# Altium PCB BC2087.PcbDoc (part 2 of 6) (continued)
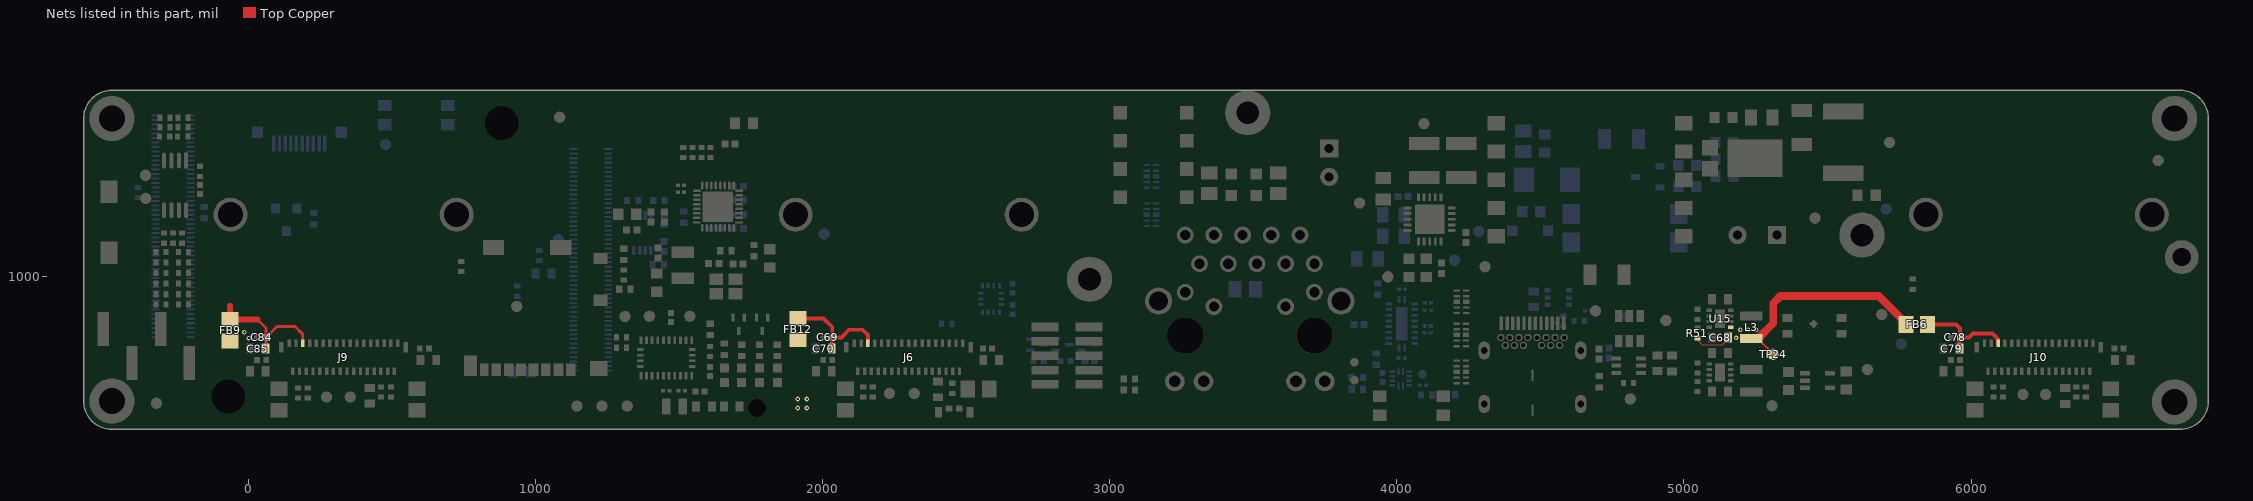
[diagram p6: the nets of this part, all layers, seen from the top]
## Part data (continued)
R63: library part CMP-009-00197-1, "Fixed Resistor, Metal Glaze/thick Film, 0.1W, 750ohm, 50V, 1% +/-Tol, 100ppm/Cel, Surface Mount, 0402", Case/Package=0402, Manufacturer 1=Panasonic, Power=100mW, Supplier Part Number 1=P750LTR-ND, Tolerance=1%, Manufacturer Part Number 1=ERJ2RKF7500X, Mounting Technology=SMD, Pins=2, Supplier 1=Digikey
R64: library part CMP-009-00198-1, "Fixed Resistor, Metal Glaze/thick Film, 0.063W, 1200ohm, 50V, 1% +/-Tol, 100ppm/Cel, Surface Mount, 0402", Case/Package=0402, Manufacturer 1=Vishay, Power=63mW, Supplier Part Number 1=541-1.20KLTR-ND, Tolerance=1%, Voltage Rating=50V, Manufacturer Part Number 1=CRCW04021K20FKED, Mounting Technology=SMD, Pins=2, Supplier 1=Digikey
R65: library part CMP-009-00196-1, "Fixed Resistor, Metal Glaze/thick Film, 0.0625W, 150ohm, 50V, 1% +/-Tol, 100ppm/Cel, Surface Mount, 0402", Manufacturer 1=Yageo, Tolerance=1%, Voltage Rating=50V, Manufacturer Part Number 1=RC0402FR-07150RL, Supplier 1=Digikey, Supplier Part Number 1=RC0402FR-07150RL
R69: library part RC0402FR-07100KL, "RES SMD 100K OHM 1% 1/16W 0402", Case Code (Imperial)=0402, Case Code (Metric)=1005, Manufacturer 1=Yageo, Max Operating Temperature=155°C, Max Power Dissipation=63mW, Min Operating Temperature=-55°C, Package Quantity=1, Resistance=100kR, Supplier Part Number 1=311-100KLRCT-ND, Temperature Coefficient=100ppm/°C, Tolerance=1%, Voltage Rating=50V, Case/Package=0402, ComponentLink1Description=https://datasheet.ciiva.com/11819/0900766b80c66297-11819452.pdf?src-supplier=RSComponents, ComponentLink1URL=https://datasheet.ciiva.com/11819/0900766b80c66297-11819452.pdf?src-supplier=RSComponents, ComponentLink2Description=https://datasheet.ciiva.com/2453/pyu-r-int-thick-7-2453361.pdf?src-supplier=Digi-Key, ComponentLink2URL=https://datasheet.ciiva.com/2453/pyu-r-int-thick-7-2453361.pdf?src-supplier=Digi-Key, ComponentLink3Description=https://datasheet.ciiva.com/2453/pyu-r-int-thick-7-2453362.pdf?src-supplier=Digi-Key, ComponentLink3URL=https://datasheet.ciiva.com/2453/pyu-r-int-thick-7-2453362.pdf?src-supplier=Digi-Key, ComponentLink4Description=https://datasheet.ciiva.com/2453/pyu-r-int-thick-7-2453363.pdf?src-supplier=Digi-Key, ComponentLink4URL=https://datasheet.ciiva.com/2453/pyu-r-int-thick-7-2453363.pdf?src-supplier=Digi-Key, ComponentLink5Description=https://datasheet.ciiva.com/22747/1018594-22747509.pdf?src-supplier=Element14, ComponentLink5URL=https://datasheet.ciiva.com/22747/1018594-22747509.pdf?src-supplier=Element14, ComponentLink6Description=https://datasheet.ciiva.com/15189/getdatasheetpartid-323696-15189334.pdf?src-supplier=Verical, ComponentLink6URL=https://datasheet.ciiva.com/15189/getdatasheetpartid-323696-15189334.pdf?src-supplier=Verical, ComponentLink7Description=https://datasheet.ciiva.com/12667/pyu-rc0402-51-rohs-l-6-r-12667930.pdf?src-supplier=Mouser, ComponentLink7URL=https://datasheet.ciiva.com/12667/pyu-rc0402-51-rohs-l-6-r-12667930.pdf?src-supplier=Mouser, Composition="Thick Film", Depth=0.5mm, Features="Moisture Resistant", Height=0.016inch, Lead Free="Lead Free", Length=0.039inch, Manufacturer Part Number 1=RC0402FR-07100KL, Military Standard=Not, Number of Terminations=2, Packaging="Tape and Reel", Power Rating=63mW, Pricing 1="1=0.10000, 10=0.01500, 100=0.00600, 1000=0.00270, 2500=0.00235, 5000=0.00194 (USD)", REACH SVHC="No SVHC", RoHS=Yes, Stock 1=50867324, Supplier 1=Digi-Key, Supplier 2=Newark, Supplier 3=Mouser, Supplier Part Number 2=67R9887, Supplier Part Number 3=603-RC0402FR-07100KL, Termination=SMD/SMT, Width=0.02inch, Working Voltage=50V
R72 R73: library part CMP-013-000013-8, "RES SMD 2.2K OHM 1% 1/16W 0402", Case/Package=0402, Manufacturer 1=Yageo, Max Operating Temperature=155°C, Min Operating Temperature=-55°C, Power Rating=63mW, Tolerance=1%, Voltage Rating=50V, Design Item ID=RC0402FR-072K2L, Manufacturer Part Number 1=RC0402FR-072K2L
R78: library part ERJ-2RKF1782X, "RES SMD 17.8K OHM 1% 1/10W 0402 17.8 kOhms ±1% 0.1W, 1/10W Chip Resistor 0402 (1005 Metric) Automotive AEC-Q200 Thick Film", Case Code (Imperial)=0402, Case Code (Metric)=1005, Manufacturer 1=Panasonic, Max Operating Temperature=155°C, Max Power Dissipation=100mW, Min Operating Temperature=-55°C, Package Quantity=1, Resistance=17.8kR, Supplier Part Number 1=P17.8KLCT-ND, Temperature Coefficient=100ppm/°C, Tolerance=1%, Voltage Rating=50V, Case/Package=0402, ComponentLink1Description=https://datasheet.ciiva.com/24027/aoa0000ce2-24027013.pdf?src-supplier=Mouser, ComponentLink1URL=https://datasheet.ciiva.com/24027/aoa0000ce2-24027013.pdf?src-supplier=Mouser, ComponentLink2Description=https://datasheet.ciiva.com/46372/1678782-46372997.pdf?src-supplier=Element14, ComponentLink2URL=https://datasheet.ciiva.com/46372/1678782-46372997.pdf?src-supplier=Element14, ComponentLink3Description=https://datasheet.ciiva.com/28594/1694929-28594534.pdf?src-supplier=Element14, ComponentLink3URL=https://datasheet.ciiva.com/28594/1694929-28594534.pdf?src-supplier=Element14, ComponentLink4Description=https://datasheet.ciiva.com/46372/1678782-46372998.pdf?src-supplier=Element14, ComponentLink4URL=https://datasheet.ciiva.com/46372/1678782-46372998.pdf?src-supplier=Element14, ComponentLink5Description=https://datasheet.ciiva.com/22764/1678782-22764807.pdf?src-supplier=Farnell, ComponentLink5URL=https://datasheet.ciiva.com/22764/1678782-22764807.pdf?src-supplier=Farnell, ComponentLink6Description=https://datasheet.ciiva.com/16769/70260748-16769816.pdf?src-supplier=Allied+Electronics, ComponentLink6URL=https://datasheet.ciiva.com/16769/70260748-16769816.pdf?src-supplier=Allied+Electronics, ComponentLink7Description=https://datasheet.ciiva.com/30116/aoa0000ce2-30116554.pdf?src-supplier=Onlinecomponents.com, ComponentLink7URL=https://datasheet.ciiva.com/30116/aoa0000ce2-30116554.pdf?src-supplier=Onlinecomponents.com, ComponentLink8Description=https://datasheet.ciiva.com/16775/70260748-16775211.pdf?src-supplier=Allied+Electronics, ComponentLink8URL=https://datasheet.ciiva.com/16775/70260748-16775211.pdf?src-supplier=Allied+Electronics, ComponentLink9Description=https://datasheet.ciiva.com/43467/1678782-43467419.pdf?src-supplier=Farnell, ComponentLink9URL=https://datasheet.ciiva.com/43467/1678782-43467419.pdf?src-supplier=Farnell, ComponentLink10Description=https://datasheet.ciiva.com/22668/1678782-22668623.pdf?src-supplier=Element14, ComponentLink10URL=https://datasheet.ciiva.com/22668/1678782-22668623.pdf?src-supplier=Element14, Composition="Thick Film", Contact Plating=Tin, Depth=0.5mm, Features="Automotive AEC-Q200", Height=0.35mm, Lead Free="Lead Free", Length=1mm, Manufacturer Part Number 1=ERJ-2RKF1782X, Military Standard=Not, Mount="Surface Mount", Number of Terminations=2, Packaging="Tape and Reel", Power Rating=100mW, Pricing 1="1=0.10000, 10=0.04500, 100=0.01830, 1000=0.00823, 2500=0.00715, 5000=0.00590 (USD)", REACH SVHC=Unknown, RoHS=Yes, Stock 1=250542, Supplier 1=Digi-Key, Termination=SMD/SMT, Voltage Rating (DC)=50V, Width=0.02inch
R131: library part RC0402FR-071KL, "RES SMD 1K OHM 1% 1/16W 0402", Case Code (Imperial)=0402, Case Code (Metric)=1005, Manufacturer 1=Yageo, Max Operating Temperature=155°C, Min Operating Temperature=-55°C, Power Rating=62.5mW, Resistance=1kR, Supplier Part Number 1=311-1.00KLRCT-ND, Temperature Coefficient=100ppm/°C, Tolerance=1%, Voltage Rating=50V, Case/Package=0402, ComponentLink1Description=https://datasheet.ciiva.com/11819/0900766b80c66297-11819477.pdf?src-supplier=RSComponents, ComponentLink1URL=https://datasheet.ciiva.com/11819/0900766b80c66297-11819477.pdf?src-supplier=RSComponents, ComponentLink2Description=https://datasheet.ciiva.com/12666/pyu-rc0402-51-rohs-l-6-r-12666741.pdf?src-supplier=Mouser, ComponentLink2URL=https://datasheet.ciiva.com/12666/pyu-rc0402-51-rohs-l-6-r-12666741.pdf?src-supplier=Mouser, ComponentLink3Description=https://datasheet.ciiva.com/17063/pyu-rc0402-51-rohs-l-6-r-17063193.pdf?src-supplier=Future+Electronics, ComponentLink3URL=https://datasheet.ciiva.com/17063/pyu-rc0402-51-rohs-l-6-r-17063193.pdf?src-supplier=Future+Electronics, ComponentLink4Description=https://datasheet.ciiva.com/22747/1018594-22747513.pdf?src-supplier=Element14, ComponentLink4URL=https://datasheet.ciiva.com/22747/1018594-22747513.pdf?src-supplier=Element14, ComponentLink5Description=https://datasheet.ciiva.com/7849/1018594-7849869.pdf?src-supplier=Element14, ComponentLink5URL=https://datasheet.ciiva.com/7849/1018594-7849869.pdf?src-supplier=Element14, ComponentLink6Description=https://datasheet.ciiva.com/7983/1018594-7983502.pdf?src-supplier=Element14, ComponentLink6URL=https://datasheet.ciiva.com/7983/1018594-7983502.pdf?src-supplier=Element14, ComponentLink7Description=https://datasheet.ciiva.com/7849/1018594-7849871.pdf?src-supplier=Element14, ComponentLink7URL=https://datasheet.ciiva.com/7849/1018594-7849871.pdf?src-supplier=Element14, Composition="Thick Film", Depth=0.5mm, Height=0.32mm, Lead Free="Lead Free", Length=1mm, Manufacturer Part Number 1=RC0402FR-071KL, Military Standard=Not, Number of Pins=2, Packaging="Tape and Reel", Pricing 1="1=0.10000, 10=0.01600, 100=0.00670, 1000=0.00301, 2500=0.00261, 5000=0.00215 (USD)", REACH SVHC=Unknown, RoHS=Yes, Stock 1=60695854, Supplier 1=Digi-Key, Termination=SMD/SMT, Voltage Rating (DC)=50V, Width=0.5mm
R187 R190: library part CRCW04021M80FKED, "RES SMD 1.8M OHM 1% 1/16W 0402", Case Code (Imperial)=0402, Case Code (Metric)=1005, Manufacturer 1=Vishay, Max Operating Temperature=155°C, Min Operating Temperature=-55°C, Package Quantity=10000, Power Rating=63mW, Resistance=1.8MR, Supplier Part Number 1=541-1.80MLCT-ND, Temperature Coefficient=100ppm/°C, Tolerance=1%, Voltage Rating=50V, Case/Package=0402, ComponentLink1Description=https://datasheet.ciiva.com/11812/0900766b80d98824-11812579.pdf?src-supplier=RSComponents, ComponentLink1URL=https://datasheet.ciiva.com/11812/0900766b80d98824-11812579.pdf?src-supplier=RSComponents, ComponentLink2Description=https://datasheet.ciiva.com/16886/dcrcwe3-16886536.pdf?src-supplier=Avnet+Europe, ComponentLink2URL=https://datasheet.ciiva.com/16886/dcrcwe3-16886536.pdf?src-supplier=Avnet+Europe, ComponentLink3Description=https://datasheet.ciiva.com/7800/1697337-7800987.pdf?src-supplier=Element14, ComponentLink3URL=https://datasheet.ciiva.com/7800/1697337-7800987.pdf?src-supplier=Element14, ComponentLink4Description=https://datasheet.ciiva.com/16786/70201119-16786875.pdf?src-supplier=Allied+Electronics, ComponentLink4URL=https://datasheet.ciiva.com/16786/70201119-16786875.pdf?src-supplier=Allied+Electronics, ComponentLink5Description=https://datasheet.ciiva.com/22676/1700796-22676027.pdf?src-supplier=Element14, ComponentLink5URL=https://datasheet.ciiva.com/22676/1700796-22676027.pdf?src-supplier=Element14, ComponentLink6Description=https://datasheet.ciiva.com/7800/1697337-7800988.pdf?src-supplier=Element14, ComponentLink6URL=https://datasheet.ciiva.com/7800/1697337-7800988.pdf?src-supplier=Element14, ComponentLink7Description=https://datasheet.ciiva.com/26316/fld-crcw-e3-data-en-26316605.pdf?src-supplier=Distrelec, ComponentLink7URL=https://datasheet.ciiva.com/26316/fld-crcw-e3-data-en-26316605.pdf?src-supplier=Distrelec, ComponentLink8Description=https://datasheet.ciiva.com/8336/dcrcwe3-8336646.pdf?src-supplier=Avnet, ComponentLink8URL=https://datasheet.ciiva.com/8336/dcrcwe3-8336646.pdf?src-supplier=Avnet, Composition="Thick Film", Contact Plating=Tin, Depth=0.5mm, Height=0.35mm, Lead Free="Lead Free", Length=1mm, Manufacturer Part Number 1=CRCW04021M80FKED, Military Standard=Not, Mount="Surface Mount", Number of Pins=2, Packaging="Tape and Reel", Pricing 1="1=0.10000, 10=0.03800, 100=0.01540, 1000=0.00690, 2500=0.00599, 5000=0.00495 (USD)", Radiation Hardening=No, REACH SVHC=Unknown, RoHS=Yes, Stock 1=26061, Supplier 1=Digi-Key, Termination=SMD/SMT, Voltage Rating (DC)=50V, Weight=2.3E-05oz, Width=0.5mm
R213 R214: library part CMP-115-000004-1, "RES SMD 10K OHM 1% 0402 1/16W Chip Resistor, 0402 [1005 Metric], 10 kohm, RC Series, 50 V, Thick Film, 62.5 mW", Case Code (Imperial)=0402, Case Code (Metric)=1005, Manufacturer 1=Yageo, Max Operating Temperature=155°C, Min Operating Temperature=-55°C, Power Rating=62.5mW, Resistance=10kR, Temperature Coefficient=100ppm/°C, Tolerance=1%, Voltage Rating=50V, Case/Package=0402, ComponentLink1Description=https://datasheet.ciiva.com/16940/pyu-rc0402-51-rohs-l-6-16940293.pdf?src-supplier=Avnet+Europe, ComponentLink1URL=https://datasheet.ciiva.com/16940/pyu-rc0402-51-rohs-l-6-16940293.pdf?src-supplier=Avnet+Europe, ComponentLink2Description=https://datasheet.ciiva.com/28386/pyu-rc0402-51-rohs-l-6-28386855.pdf?src-supplier=Avnet+Europe, ComponentLink2URL=https://datasheet.ciiva.com/28386/pyu-rc0402-51-rohs-l-6-28386855.pdf?src-supplier=Avnet+Europe, ComponentLink3Description=https://datasheet.ciiva.com/16740/pyu-rc0402-51-rohs-l-6-r-16740602.pdf?src-supplier=Future+Electronics, ComponentLink3URL=https://datasheet.ciiva.com/16740/pyu-rc0402-51-rohs-l-6-r-16740602.pdf?src-supplier=Future+Electronics, ComponentLink4Description=https://datasheet.ciiva.com/8891/pyu-rc0402-51-rohs-l-6-8891339.pdf?src-supplier=Avnet, ComponentLink4URL=https://datasheet.ciiva.com/8891/pyu-rc0402-51-rohs-l-6-8891339.pdf?src-supplier=Avnet, ComponentLink5Description=https://datasheet.ciiva.com/5557/pyu-rc0402-51-rohs-l-6-r-5557997.pdf?src-supplier=Mouser, ComponentLink5URL=https://datasheet.ciiva.com/5557/pyu-rc0402-51-rohs-l-6-r-5557997.pdf?src-supplier=Mouser, ComponentLink6Description=https://datasheet.ciiva.com/7983/1018594-7983533.pdf?src-supplier=Element14, ComponentLink6URL=https://datasheet.ciiva.com/7983/1018594-7983533.pdf?src-supplier=Element14, Composition="Thick Film", Contact Plating=Tin,Matte,Lead, Depth=0.5mm, Design Item ID=RC0402FR-1310KL, Lead Free="Lead Free", Length=1mm, Manufacturer Part Number 1=RC0402FR-1310KL, Military Standard=Not, Number of Pins=2, Number of Terminations=2, Packaging="Tape and Reel", Pricing 1="1=0.10000, 25=0.01200, 100=0.00400, 250=0.00400, 500=0.00300, 1000=0.00300 (USD)", Radiation Hardening=No, REACH SVHC="No SVHC", RoHS=Yes, Source=BW2098POE_1.SCHLIB, Stock 1=62239, Termination=SMD/SMT, Voltage Rating (DC)=50V, Working Voltage=50V
SW1 SW2: library part CMP-011-00016-3, "Keypad Switch, 1 Switches, SPST, Momentary-tactile, 0.05A, 12VDC, 2.65N, Solder Terminal, Surface Mount-right Angle", Current Rating=50mA, Manufacturer 1="Wurth Electronics", Supplier Part Number 1=732-7055-2-ND, Voltage Rating=12V, Case/Package=434331045822, Manufacturer Part Number 1=434331045822, Max Current Rating=50mA, Mounting Technology=SMD, Pins=4, Supplier 1=Digi-Key, Throw Configuration=SPST-NO
T1: "TRANS FLYBACK POE 127UH SMD", Case/Package=SMD/SMT, Current Rating=1.3A, Frequency=500kHz, Inductance=127uH, Manufacturer 1="Wurth Electronics", Max Input Voltage=57V, Max Operating Temperature=125°C, Min Input Voltage=36V, Min Operating Temperature=-40°C, Output Voltage=5V, Package Quantity=1, Power Rating=13W, Supplier Part Number 1=732-2432-1-ND, ComponentLink1Description="Manufacturer URL", ComponentLink1URL=http://www.we-online.com, ComponentLink2Description=Datasheet, ComponentLink2URL=http://www.we-online.de/katalog/media/pdf/749119950.pdf, ComponentLink3Description=https://datasheet.ciiva.com/1378/749119950-1378246.pdf?src-supplier=Element14, ComponentLink3URL=https://datasheet.ciiva.com/1378/749119950-1378246.pdf?src-supplier=Element14, ComponentLink4Description=https://datasheet.ciiva.com/5309/749119950-91646-5309801.pdf?src-supplier=Mouser, ComponentLink4URL=https://datasheet.ciiva.com/5309/749119950-91646-5309801.pdf?src-supplier=Mouser, ComponentLink5Description=https://datasheet.ciiva.com/1386/749119950-1386647.pdf?src-supplier=Farnell, ComponentLink5URL=https://datasheet.ciiva.com/1386/749119950-1386647.pdf?src-supplier=Farnell, ComponentLink6Description=https://datasheet.ciiva.com/2940/749119950-2940138.pdf?src-supplier=Digi-Key, ComponentLink6URL=https://datasheet.ciiva.com/2940/749119950-2940138.pdf?src-supplier=Digi-Key, ComponentLink7Description=https://datasheet.ciiva.com/2940/749119950-2940139.pdf?src-supplier=Digi-Key, ComponentLink7URL=https://datasheet.ciiva.com/2940/749119950-2940139.pdf?src-supplier=Digi-Key, Height=12.5mm, Height - Seated (Max)=12.5mm, Length=13.5mm, Manufacturer Part Number 1=749119950, Mount="Surface Mount", Packaging="Tape and Reel", Pricing 1="1=5.64000, 10=5.44300, 50=5.14100, 100=4.83800 (USD)", REACH SVHC="No SVHC", RoHS=Yes, Stock 1=148, Supplier 1=Digi-Key, Supplier 2=Digi-Key, Supplier 3=Mouser, Supplier Part Number 2=732-2432-6-ND, Supplier Part Number 3=710-749119950, Width=17.75mm
TP1 TP2 TP3 TP4 TP5 TP6 TP7 TP8 TP9 TP10 TP11 TP12 TP13 TP14 TP15 TP16 TP17 TP18 TP19 TP20 TP22 TP23 TP24 TP27 TP28 TP29 TP30 TP31 TP32 TP33: library part TEST_POINT
TP21 TP25 TP26 TP34 TP35 TP41: library part CMP-015-000000-1, Design Item ID=TEST_POINT, Source=LuxonisMaster.SchLib
U1: "IC POE CNTRL 1 CHANNEL 20QFN", Manufacturer 1="Silicon Labs", Supplier Part Number 1=336-4270-ND, ComponentLink1Description=https://www.silabs.com/documents/public/data-sheets/si3404-datasheet.pdf?src-supplier=Digi-Key, ComponentLink1URL=https://www.silabs.com/documents/public/data-sheets/si3404-datasheet.pdf?src-supplier=Digi-Key, Manufacturer Part Number 1=SI3404-A-GM, Pricing 1="1=1.46000, 25=1.41040, 100=1.35600, 1000=1.33340 (USD)", RoHS=No, Stock 1=1481, Supplier 1=Digi-Key, Supplier 2=Mouser, Supplier Part Number 2=634-SI3404-A-GM
U2: "OPTOISOLATOR 5.3KV TRANS 4-SMD", Case/Package=SMD/SMT, Collector Emitter Saturation Voltage=400mV, Collector Emitter Voltage (VCEO)=80V, Current Transfer Ratio=100%, Forward Current=60mA, Forward Voltage=1.1V, Isolation Voltage=5.3kV, Manufacturer 1="Vishay Semiconductors", Max Collector Current=50mA, Max Operating Temperature=110°C, Max Power Dissipation=150mW, Min Operating Temperature=-55°C, Package Quantity=1, Reverse Breakdown Voltage=6V, Supplier Part Number 1=VO618A-3X017TCT-ND, ComponentLink1Description=https://datasheet.ciiva.com/26183/vo618a-26183397.pdf?src-supplier=Avnet+Europe, ComponentLink1URL=https://datasheet.ciiva.com/26183/vo618a-26183397.pdf?src-supplier=Avnet+Europe, ComponentLink2Description=https://datasheet.ciiva.com/2087/vo618a-2087431.pdf?src-supplier=Digi-Key, ComponentLink2URL=https://datasheet.ciiva.com/2087/vo618a-2087431.pdf?src-supplier=Digi-Key, ComponentLink3Description=https://datasheet.ciiva.com/2087/vo618a-2087432.pdf?src-supplier=Digi-Key, ComponentLink3URL=https://datasheet.ciiva.com/2087/vo618a-2087432.pdf?src-supplier=Digi-Key, ComponentLink4Description=https://datasheet.ciiva.com/2087/vo618a-2087433.pdf?src-supplier=Digi-Key, ComponentLink4URL=https://datasheet.ciiva.com/2087/vo618a-2087433.pdf?src-supplier=Digi-Key, Contact Plating=Tin, Input Current=60mA, Lead Free="Lead Free", Manufacturer Part Number 1=VO618A-3X017T, Max Input Current=60mA, Max Output Voltage=80V, Mount="Surface Mount", Number of Channels=1, Number of Elements=1, Number of Pins=4, Output Current per Channel=50mA, Packaging="Tape and Reel", Power Dissipation=150mW, Pricing 1="1=1.04000, 10=0.80900, 100=0.51980, 500=0.43890 (USD)", Radiation Hardening=No, REACH SVHC=Unknown, RoHS=Yes, Stock 1=28306, Supplier 1=Digi-Key, Supplier 2=Newark, Supplier 3=Mouser, Supplier Part Number 2=48W3695, Supplier Part Number 3=78-VO618A-3X017T
U3 U15: "IC REG BUCK ADJ 1.2A SYNC 8WSON", Manufacturer 1="Texas Instruments", Manufacturer Part Number 1=TLV62080DSGR, Manufacturer Part Number 2=TLV62080DSGT, Max Input Voltage=5.5V, Max Operating Temperature=125°C, Max Output Current=1.2A, Max Output Voltage=4V, Min Input Voltage=2.5V, Min Operating Temperature=-40°C, Min Output Voltage=500mV, Nominal Supply Current=30uA, Package Quantity=3000, Supplier Part Number 1=296-39270-1-ND, Switching Frequency=2MHz, ComponentLink1Description=https://datasheet.ciiva.com/6604/tlv62080-6604087.pdf?src-supplier=Digi-Key, ComponentLink1URL=https://datasheet.ciiva.com/6604/tlv62080-6604087.pdf?src-supplier=Digi-Key, ComponentLink2Description=https://datasheet.ciiva.com/14378/tlv62080-14378282.pdf?src-supplier=Avnet, ComponentLink2URL=https://datasheet.ciiva.com/14378/tlv62080-14378282.pdf?src-supplier=Avnet, ComponentLink3Description=https://datasheet.ciiva.com/29732/tlv62080-29732147.pdf?src-supplier=Digi-Key, ComponentLink3URL=https://datasheet.ciiva.com/29732/tlv62080-29732147.pdf?src-supplier=Digi-Key, ComponentLink4Description=https://datasheet.ciiva.com/29732/tlv62080-29732156.pdf?src-supplier=Digi-Key, ComponentLink4URL=https://datasheet.ciiva.com/29732/tlv62080-29732156.pdf?src-supplier=Digi-Key, ComponentLink5Description=https://datasheet.ciiva.com/29732/tlv62080-29732151.pdf?src-supplier=Digi-Key, ComponentLink5URL=https://datasheet.ciiva.com/29732/tlv62080-29732151.pdf?src-supplier=Digi-Key, ComponentLink6Description=https://datasheet.ciiva.com/14378/tlv62080-14378283.pdf?src-supplier=Avnet, ComponentLink6URL=https://datasheet.ciiva.com/14378/tlv62080-14378283.pdf?src-supplier=Avnet, ComponentLink7Description=https://datasheet.ciiva.com/26104/tlv62080-26104460.pdf?src-supplier=Avnet+Europe, ComponentLink7URL=https://datasheet.ciiva.com/26104/tlv62080-26104460.pdf?src-supplier=Avnet+Europe, Contact Plating=Gold, Lead Free="Lead Free", Manufacturer 2="Texas Instruments", Min Supply Voltage=2.5V, Mount="Surface Mount", Number of Outputs=1, Number of Pins=8, Output Configuration=Positive, Output Current=1.2A, Output Type=Adjustable, Output Voltage=4V, Packaging="Tape and Reel", Pricing 1="1=1.35000, 10=1.20300, 100=0.93810, 500=0.77498, 1000=0.61182 (USD)", Pricing 2="1=1.48000, 10=1.32700, 100=1.06620 (USD)", Quiescent Current=30uA, Radiation Hardening=No, REACH SVHC="No SVHC", RoHS=Yes, Stock 1=93781, Stock 2=6366, Supplier 1=Digi-Key, Supplier 2=Digi-Key, Supplier Part Number 2=296-36759-1-ND, Synchronous Rectifier=Yes
U4: library part RTL8111HS, "IC ETHERNET/PCIe PHY Realtek", Manufacturer 1=Realtek, Manufacturer Part Number 1=RTL8111HS-CG, Supplier 1="Symmetry Electronics", Supplier 2="Future Electronics", Supplier Part Number 1=RTL8111HS-CG, Supplier Part Number 2=RTL8111HS-CG
U5: library part TLV431BCDBZR, "IC VREF SHUNT ADJ SOT23-3", Case/Package=SOT-23, Cathode Current=100uA, Manufacturer 1="Texas Instruments", Max Input Voltage=7V, Max Operating Temperature=125°C, Max Output Current=15mA, Max Output Voltage=6V, Min Input Voltage=1.24V, Min Operating Temperature=-40°C, Package Quantity=1, Supplier Part Number 1=296-17569-1-ND, Temperature Coefficient=129ppm/°C, Tolerance=0.5%, ComponentLink1Description=https://datasheet.ciiva.com/26889/tlv431bcdbzr-26889546.pdf?src-supplier=IIIC, ComponentLink1URL=https://datasheet.ciiva.com/26889/tlv431bcdbzr-26889546.pdf?src-supplier=IIIC, ComponentLink2Description=https://datasheet.ciiva.com/2006/tlv431a-2006546.pdf?src-supplier=Digi-Key, ComponentLink2URL=https://datasheet.ciiva.com/2006/tlv431a-2006546.pdf?src-supplier=Digi-Key, ComponentLink3Description=https://datasheet.ciiva.com/2006/tlv431a-2006547.pdf?src-supplier=Digi-Key, ComponentLink3URL=https://datasheet.ciiva.com/2006/tlv431a-2006547.pdf?src-supplier=Digi-Key, ComponentLink4Description=https://datasheet.ciiva.com/2006/tlv431a-2006548.pdf?src-supplier=Digi-Key, ComponentLink4URL=https://datasheet.ciiva.com/2006/tlv431a-2006548.pdf?src-supplier=Digi-Key, ComponentLink5Description=https://datasheet.ciiva.com/26264/tlv431b-26264234.pdf?src-supplier=Avnet+Europe, ComponentLink5URL=https://datasheet.ciiva.com/26264/tlv431b-26264234.pdf?src-supplier=Avnet+Europe, ComponentLink6Description=https://datasheet.ciiva.com/46397/1887487-46397709.pdf?src-supplier=Element14, ComponentLink6URL=https://datasheet.ciiva.com/46397/1887487-46397709.pdf?src-supplier=Element14, Lead Free="Lead Free", Manufacturer Part Number 1=TLV431BCDBZR, Number of Channels=1, Number of Pins=3, Output Current=15mA, Output Voltage=6V, Packaging="Tape and Reel", Pricing 1="1=0.92000, 10=0.81200, 100=0.57850, 500=0.46772, 1000=0.35695 (USD)", Radiation Hardening=No, REACH SVHC="No SVHC", Reference Type=Shunt,Adjustable, Reference Voltage=6V, RoHS=Yes, Stock 1=3209, Supplier 1=Digi-Key, Supplier 2="TI store", Supplier 3=Mouser, Supplier Part Number 2=TLV431BCDBZR, Supplier Part Number 3=595-TLV431BCDBZR
U6: library part TXS0102DCUR, "TEXAS INSTRUMENTS - TXS0102DCUR - IC, TRANSLATOR, 2 BIT, BI, US-8", Case/Package=VSSOP, High Level Output Current=-20uA, Low Level Output Current=1mA, Manufacturer 1="Texas Instruments", Max Operating Temperature=85°C, Max Supply Voltage=5.5V, Min Operating Temperature=-40°C, Min Supply Voltage=1.65V, Nominal Supply Current=14.4uA, Output Current=1A, Package Quantity=1, Supplier Part Number 1=296-21931-1-ND, Category="Logic Gates", ComponentLink1Description=https://datasheet.ciiva.com/15096/getdatasheetpartid-118249-15096172.pdf?src-supplier=Verical, ComponentLink1URL=https://datasheet.ciiva.com/15096/getdatasheetpartid-118249-15096172.pdf?src-supplier=Verical, ComponentLink2Description=https://datasheet.ciiva.com/22653/1846850-22653373.pdf?src-supplier=Farnell, ComponentLink2URL=https://datasheet.ciiva.com/22653/1846850-22653373.pdf?src-supplier=Farnell, ComponentLink3Description=https://datasheet.ciiva.com/1508/1857232-1508821.pdf?src-supplier=Element14, ComponentLink3URL=https://datasheet.ciiva.com/1508/1857232-1508821.pdf?src-supplier=Element14, ComponentLink4Description=https://datasheet.ciiva.com/1899/txs0102-1899368.pdf?src-supplier=Digi-Key, ComponentLink4URL=https://datasheet.ciiva.com/1899/txs0102-1899368.pdf?src-supplier=Digi-Key, ComponentLink5Description=https://datasheet.ciiva.com/1899/txs0102-1899369.pdf?src-supplier=Digi-Key, ComponentLink5URL=https://datasheet.ciiva.com/1899/txs0102-1899369.pdf?src-supplier=Digi-Key, ComponentLink6Description=https://datasheet.ciiva.com/1899/txs0102-1899370.pdf?src-supplier=Digi-Key, ComponentLink6URL=https://datasheet.ciiva.com/1899/txs0102-1899370.pdf?src-supplier=Digi-Key, ComponentLink7Description=https://datasheet.ciiva.com/14287/txs0102-14287516.pdf?src-supplier=Avnet, ComponentLink7URL=https://datasheet.ciiva.com/14287/txs0102-14287516.pdf?src-supplier=Avnet, ComponentLink8Description=https://datasheet.ciiva.com/28499/1863639-28499676.pdf?src-supplier=Element14, ComponentLink8URL=https://datasheet.ciiva.com/28499/1863639-28499676.pdf?src-supplier=Element14, ComponentLink9Description=https://datasheet.ciiva.com/14287/txs0102-14287518.pdf?src-supplier=Avnet, ComponentLink9URL=https://datasheet.ciiva.com/14287/txs0102-14287518.pdf?src-supplier=Avnet, ComponentLink10Description=https://datasheet.ciiva.com/46395/1863639-46395871.pdf?src-supplier=Element14, ComponentLink10URL=https://datasheet.ciiva.com/46395/1863639-46395871.pdf?src-supplier=Element14, Data Rate=24Mbps, Lead Free="Lead Free", Logic Function=Translator, Manufacturer Part Number 1=TXS0102DCUR, Number of Bits=2, Number of Channels=2, Number of Inputs=2, Number of Pins=8, Output Type=Voltage, Packaging="Tape and Reel", Pricing 1="1=0.75000, 10=0.65900, 25=0.61960, 100=0.50550, 250=0.46956, 500=0.39964, 1000=0.31971 (USD)", Propagation Delay=4.6ns, Quiescent Current=14.4uA, Radiation Hardening=No, REACH SVHC="No SVHC", RoHS=Yes, Stock 1=55123, Supplier 1=Digi-Key, Supplier 2=Newark, Supplier 3=Mouser, Supplier Part Number 2=30M1878, Supplier Part Number 3=595-TXS0102DCUR, Turn-On Delay Time=260ns, Weight=0.000339oz
U7: library part 24AA32A-I/MS, "IC EEPROM 32K I2C 400KHZ 8MSOP Memory IC 32Kb (4K x 8) I²C 400kHz 900ns 8-MSOP", Case/Package=MSOP, Frequency=400kHz, Manufacturer 1=Microchip, Max Operating Temperature=85°C, Max Supply Voltage=5.5V, Min Operating Temperature=-40°C, Min Supply Voltage=1.7V, Nominal Supply Current=3mA, Package Quantity=100, Supplier Part Number 1=24AA32A-I/MS-ND, Access Time=3500ns, ComponentLink1Description=https://datasheet.ciiva.com/16309/filehandler-aspxddocname-en011853-16309808.pdf?src-supplier=Future+Electronics, ComponentLink1URL=https://datasheet.ciiva.com/16309/filehandler-aspxddocname-en011853-16309808.pdf?src-supplier=Future+Electronics, ComponentLink2Description=https://datasheet.ciiva.com/16621/21713l-16621382.pdf?src-supplier=Avnet+Europe, ComponentLink2URL=https://datasheet.ciiva.com/16621/21713l-16621382.pdf?src-supplier=Avnet+Europe, ComponentLink3Description=https://datasheet.ciiva.com/3185/21713l-3185209.pdf?src-supplier=Avnet, ComponentLink3URL=https://datasheet.ciiva.com/3185/21713l-3185209.pdf?src-supplier=Avnet, ComponentLink4Description=https://datasheet.ciiva.com/1154/1688094-1154810.pdf?src-supplier=Element14, ComponentLink4URL=https://datasheet.ciiva.com/1154/1688094-1154810.pdf?src-supplier=Element14, ComponentLink5Description=https://datasheet.ciiva.com/41454/001085239-da-01-en-ic-eeprom-32kbit-24aa32a-i-ms-msop-8-mcp-41454934.pdf?src-supplier=Conrad, ComponentLink5URL=https://datasheet.ciiva.com/41454/001085239-da-01-en-ic-eeprom-32kbit-24aa32a-i-ms-msop-8-mcp-41454934.pdf?src-supplier=Conrad, Contact Plating=Tin,Matte, Density=32Kb, Height=0.85mm, Interface=I2C,Serial,2-Wire, Lead Free="Lead Free", Length=3mm, Manufacturer Part Number 1=24AA32A-I/MS, Max Frequency=400kHz, Memory Size=32Kb, Memory Type=EEPROM, Mount="Surface Mount", Number of Pins=8, Packaging=Rail/Tube, Pricing 1="1=0.39000, 25=0.38120, 100=0.36050 (USD)", Radiation Hardening=No, REACH SVHC="No SVHC", RoHS=Yes, Stock 1=4213, Supplier 1=Digi-Key, Supplier 2=Mouser, Supplier 3=Newark, Supplier Part Number 2=579-24AA32A-I/MS, Supplier Part Number 3=38AH9658, Width=3mm
U8: library part CMP-099-000001-1, "IC OR CTRLR IDEAL DIODE SC70-6", Manufacturer 1="Texas Instruments", Category="Integrated Circuits (ICs)", Design Item ID=LM66100DCKR, Manufacturer Part Number 1=LM66100DCKR, Pricing 1="1=0.41000, 10=0.32900, 25=0.30120, 100=0.20300, 250=0.16800, 500=0.15400, 1000=0.11550 (USD)", RoHS=No, Source=NG2391C-HM.SchLib, Stock 1=8042
U9: "Accelerometer, Gyroscope, 6 Axis Sensor IÂ²C, SPI Output", Manufacturer 1="Bosch Sensortec", Package="LGA-14 Bosch Sensortec", Availability=Unavailable, Manufacturer Part Number 1=BMI270, Price=None, SnapEDA_Link=https://www.snapeda.com/parts/BMI270/Bosch%20Sensortec/view-part/3595167/?ref=snap
U10: "IC REG LINEAR 1.8V 200MA SC70-5 Linear Voltage Regulator IC  1 Output  200mA SC-70-5", Case/Package=SC, Dropout Voltage=175mV, Manufacturer 1="Texas Instruments", Manufacturer Part Number 1=TLV70018DCKR, Manufacturer Part Number 2=TLV70018DCKT, Max Input Voltage=5.5V, Max Operating Temperature=125°C, Max Output Current=200mA, Max Output Voltage=1.8V, Max Power Dissipation=320mW, Min Current Limit=220mA, Min Input Voltage=2V, Min Operating Temperature=-40°C, Nominal Supply Current=31uA, Output Voltage Accuracy=2%, Package Quantity=1, Quiescent Current=30uA, Supplier Part Number 1=296-32409-1-ND, Accuracy=2%, ComponentLink1Description=https://datasheet.ciiva.com/41462/001014631-da-01-en-ic-reg-ldo-1-8v-0-tlv70018dckr-sot-5-tid-41462480.pdf?src-supplier=Conrad, ComponentLink1URL=https://datasheet.ciiva.com/41462/001014631-da-01-en-ic-reg-ldo-1-8v-0-tlv70018dckr-sot-5-tid-41462480.pdf?src-supplier=Conrad, ComponentLink2Description=https://datasheet.ciiva.com/22700/1882059-22700171.pdf?src-supplier=Element14, ComponentLink2URL=https://datasheet.ciiva.com/22700/1882059-22700171.pdf?src-supplier=Element14, ComponentLink3Description=https://datasheet.ciiva.com/14149/tlv700-eng-ds-14149837.pdf?src-supplier=Distrelec, ComponentLink3URL=https://datasheet.ciiva.com/14149/tlv700-eng-ds-14149837.pdf?src-supplier=Distrelec, ComponentLink4Description=https://datasheet.ciiva.com/7992/1882059-7992894.pdf?src-supplier=Element14, ComponentLink4URL=https://datasheet.ciiva.com/7992/1882059-7992894.pdf?src-supplier=Element14, Contact Plating=Gold, Height=1mm, Lead Free="Lead Free", Length=2.15mm, Manufacturer 2="Texas Instruments", Min Output Voltage=1.8V, Nominal Output Voltage=1.8V, Number of Outputs=1, Number of Pins=5, Number of Regulators=1, Output Current=200mA, Output Type=Fixed, Output Voltage=1.8V, Packaging="Tape and Reel", Polarity=Positive, Power Dissipation=320mW, Power Rating=320mW, Pricing 1="1=0.48000, 10=0.40900, 100=0.30570, 500=0.24020, 1000=0.18561 (USD)", Pricing 2="1=0.55000, 10=0.46700, 100=0.34900 (USD)", Radiation Hardening=No, REACH SVHC="No SVHC", RoHS=Yes, Stock 1=63905, Stock 2=13188, Supplier 1=Digi-Key, Supplier 2=Digi-Key, Supplier Part Number 2=296-25269-1-ND, Width=1.4mm
U11: library part CMP-016-000000-1, "IMU ACCEL/GYRO/MAG I2C 32BIT", Case/Package=LGA, Manufacturer 1="Hillcrest Laboratories", Max Operating Temperature=85°C, Min Operating Temperature=-40°C, Category="Inertial Measurement Units (IMUs)", ComponentLink1Description=https://www.hillcrestlabs.com/downloads/bno080-datasheet?src-supplier=Digi-Key, ComponentLink1URL=https://www.hillcrestlabs.com/downloads/bno080-datasheet?src-supplier=Digi-Key, ComponentLink2Description=https://www.hillcrestlabs.com/downloads/bno080-migration-guide?src-supplier=Digi-Key, ComponentLink2URL=https://www.hillcrestlabs.com/downloads/bno080-migration-guide?src-supplier=Digi-Key, Design Item ID=BNO085, Manufacturer Part Number 1=BNO085, Mount="Surface Mount", Output Type=SPI,I2C, Packaging="Tape and Reel", Pricing 1="1=11.85000, 5=10.31200, 10=9.28100, 25=8.25000, 50=7.63120, 100=6.60000, 500=6.18750, 1000=5.77500 (USD)", RoHS=No, Sensor Type=Accelerometer,Gyroscope,Magnetometer, Source=LuxonisMaster.SchLib, Stock 1=11593
U14: library part CMP-019-00053-2, "Fixed Positive LDO Regulator, 2.8V, 0.23V Dropout, CMOS, PDSO4", Case/Package=UDFN-4, Dropout Voltage=155mV, Manufacturer 1=OnSemi, Max Supply Voltage=5.5V, Min Supply Voltage=1.7V, Output Current=300mA, Output Voltage=2.8V, Supplier Part Number 1=863-NCP114AMX280TCG, Manufacturer Part Number 1=NCP114AMX280TCG, Mounting Technology=SMD, Pins=5, Supplier 1=Mouser
U61: library part CMP-045-000000-1, "Multiplexer And Demux/Decoder, CBT/FST/QS/5C/B Series, 1-Func, 2 Line Input, 1 Line Output, True Output, PQCC20", Manufacturer 1="NXP Semiconductors", Manufacturer Part Number 1=CBTL02043ABQ,115, Category="Interface ICs", ComponentLink1Description=https://datasheet.ciiva.com:443/pdfs/VipMasterIC/IC/PHGL/PHGL-S-A0000727649/PHGL-S-A0000727649-1.pdf?src-supplier=IHS+Markit, ComponentLink1URL=https://datasheet.ciiva.com:443/pdfs/VipMasterIC/IC/PHGL/PHGL-S-A0000727649/PHGL-S-A0000727649-1.pdf?src-supplier=IHS+Markit, ComponentLink2Description=https://datasheet.ciiva.com/4921/cbtl02043a-cbtl02043b-87520-4921245.pdf?src-supplier=Mouser, ComponentLink2URL=https://datasheet.ciiva.com/4921/cbtl02043a-cbtl02043b-87520-4921245.pdf?src-supplier=Mouser, ComponentLink3Description=https://datasheet.ciiva.com/6637/cbtl02043a-cbtl02043b-6637066.pdf?src-supplier=Digi-Key, ComponentLink3URL=https://datasheet.ciiva.com/6637/cbtl02043a-cbtl02043b-6637066.pdf?src-supplier=Digi-Key, Design Item ID=CBTL02043A, Pricing 1="1=1,77000, 10=1,63000 (USD)", RoHS=Yes, Source=DM1099.SCHLIB, Stock 1=19938
U62: library part CMP-044-000000-2, "Power Supply Support Circuit, Fixed, 2 Channel, 0.2, PQCC12", Manufacturer 1="NXP Semiconductors", Manufacturer Part Number 1=PTN5150HXMP, Category="Integrated Circuits (ICs)", ComponentLink1Description=https://www.nxp.com/docs/en/data-sheet/PTN5150.pdf?src-supplier=Digi-Key, ComponentLink1URL=https://www.nxp.com/docs/en/data-sheet/PTN5150.pdf?src-supplier=Digi-Key, ComponentLink2Description=http://www.farnell.com/datasheets/2615733.pdf?src-supplier=Newark, ComponentLink2URL=http://www.farnell.com/datasheets/2615733.pdf?src-supplier=Newark, Design Item ID=PTN5150AHXMP, Pricing 1="1=1,07000, 10=0,95400, 25=0,90560, 100=0,87780 (USD)", RoHS=Yes, Source=DM1099.SCHLIB, Stock 1=2334
X1: library part ECS-250-18-36B-CKY-TR, "CRYSTAL 25.0000MHZ 18PF SMD 25MHz ±10ppm Crystal 18pF 50 Ohms 4-SMD, No Lead", Manufacturer 1="ECS International", Supplier Part Number 1=XC3051CT-ND, Manufacturer Part Number 1=ECS-250-18-36B-CKY-TR, Pricing 1="1=0.48000, 10=0.39900, 50=0.35880, 100=0.31900, 500=0.30306 (USD)", RoHS=No, Stock 1=1111, Supplier 1=Digi-Key, Supplier 2=Mouser, Supplier 3=Arrow, Supplier Part Number 2=520-250-18-36B-CKYT, Supplier Part Number 3=ECS-250-18-36B-CKY-TR
Y1: library part CMP-006-000001-2, "CRYSTAL 32.768kHz ±20ppm Crystal 12.5pF 90 kOhms 2-SMD, No Lead", Case/Package=SMD/SMT, Frequency=32.768kHz, Manufacturer 1=Abracon, Max Operating Temperature=85°C, Min Operating Temperature=-40°C, Tolerance=20ppm, Manufacturer Part Number 1=ABS06-127-32.768KHZ-T

## Free pads (board coordinates)
  round 157.48 / inner round 98.43 / far side round 157.48 hole 90.55: 2(-476.23,567.36) 2(-476.23,1551.61) 2(6708.81,564.45) 2(6708.81,1551.61)
  round 0 hole 62.99 unplated: 2(1771.65,543.31)
  round 157.48 / inner round 98.43 / far side round 157.48 hole 78.74: 2(2929.28,992.13) 2(3480.31,1571.85) 2(5620.2,1145.67)
  round 118.11 / inner round 78.74 / far side round 118.11 hole 62.99: 2(6734,1069)
  round 118.11 hole 86.61: 3(-62.85,1216.96) 3(724.55,1216.96) 3(1905.66,1216.96) 3(2693.06,1216.96) 3(5842.66,1216.96) 3(6630.07,1216.96)

## Via types
v1: diameter 20, hole 10, Top Copper to Bottom Copper, 273 vias
v2: diameter 16, hole 8, Top Copper to Bottom Copper, tented both sides, 243 vias
v3: diameter 15.98, hole 7.99, Top Copper to Bottom Copper, tented both sides, 201 vias
v4: diameter 18, hole 8, Top Copper to Bottom Copper, tented both sides, 70 vias
v5: diameter 16, hole 7.95, Top Copper to Bottom Copper, tented both sides, 36 vias
v6: diameter 20, hole 10, Top Copper to Bottom Copper, tented both sides, 26 vias
v7: diameter 16, hole 8, Top Copper to Bottom Copper, 17 vias
v8: diameter 19.68, hole 11.81, Top Copper to Bottom Copper, tented both sides, 1 vias

## Nets (pads, with @x,y where several pads share a name; then routed paths per layer and width w, separated by ;. In a path a pad name is that pad's centre, name@x,y a point inside that pad or via, vN(x,y) a via of type N, cw(c..) or ccw(c..) an arc to the next point about the centre after c; other vN are vias at no path point)
1V2: C68.2 FB6.1 FB9.1 FB12.1 L3.2 R51.2 TP24.1 U15.5 | length 894.6
  Top Copper w4: R51.2@5047.24,786.73 5047.24,780.53 5063.99,763.78 5134.14,763.78 5153.54,783.18 C68.2@5153.54,788.7
  Top Copper w4.53: L3.2@5234.25,785.43 5257.87,785.43 5311.02,732.28 TP24.1@5311.02,730.62
  Top Copper w27.56: L3.2@5257.87,785.43 5311.02,838.58 5311.02,908.32 5336.15,933.45 5678.76,933.45 5773.62,838.58 FB6.1@5773.62,834.65
  other v2: 5181.59,787.4 5196.85,816.23 5224.41,816.23 5251.97,816.23
  other v3: 1913.39,543.31 1944.88,543.31 1913.39,574.8 1944.88,574.8 1,787 -14.42,807
1V2_CAM_M: C69.2 C70.2 FB12.2 J6.29 | length 379.6
  Top Copper w13.78: FB12.2@1913.44,855.74 2002.2,855.74 2033.16,824.78 C69.2@2033.16,789.59 ; C70.2@2031.6,750.22 2032.38,751 2032.38,788.81 C69.2@2033.16,789.59 ; J6.29@2157.33,768.34 2157.33,797.39 2138.78,815.94 2091.54,815.94 2065.18,789.59 C69.2@2033.16,789.59
1V2_L: C78.2 C79.2 FB6.2 J10.29 | length 367
  Top Copper w4.02: J10.29@6094.34,768.34 6094.34,783.61
  Top Copper w13.78: FB6.2@5848.43,834.65 5947.16,834.65 5961.31,820.49 C78.2@5961.31,789.59 ; C79.2@5959.74,750.22 5960.52,751.01 5960.52,788.8 C78.2@5961.31,789.59 ; J10.29@6094.34,768.34 6094.34,783.61 6074.8,803.15 6007.26,803.15 5993.7,789.59 C78.2@5961.31,789.59
1V2_R: C84.2 C85.2 FB9.2 J9.29 | length 443.4
  Top Copper w10: 31.3,851.67 60.74,822.23 60.74,790.29 C84.2@61.44,789.59 ; C85.2@59.47,750.22 60.45,751.2 60.45,788.6 C84.2@61.44,789.59 ; J9.29@188.83,768.34 188.83,800.39 162.22,827 98.85,827 C84.2@61.44,789.59
  Top Copper w20: FB9.2@-64.47,851.67 31.3,851.67
  Top Copper w22: FB9.2@-64.47,851.67 -64.47,898.63